# KiCad board TM_MUX_Board_REV_B.kicad_pcb (continued)
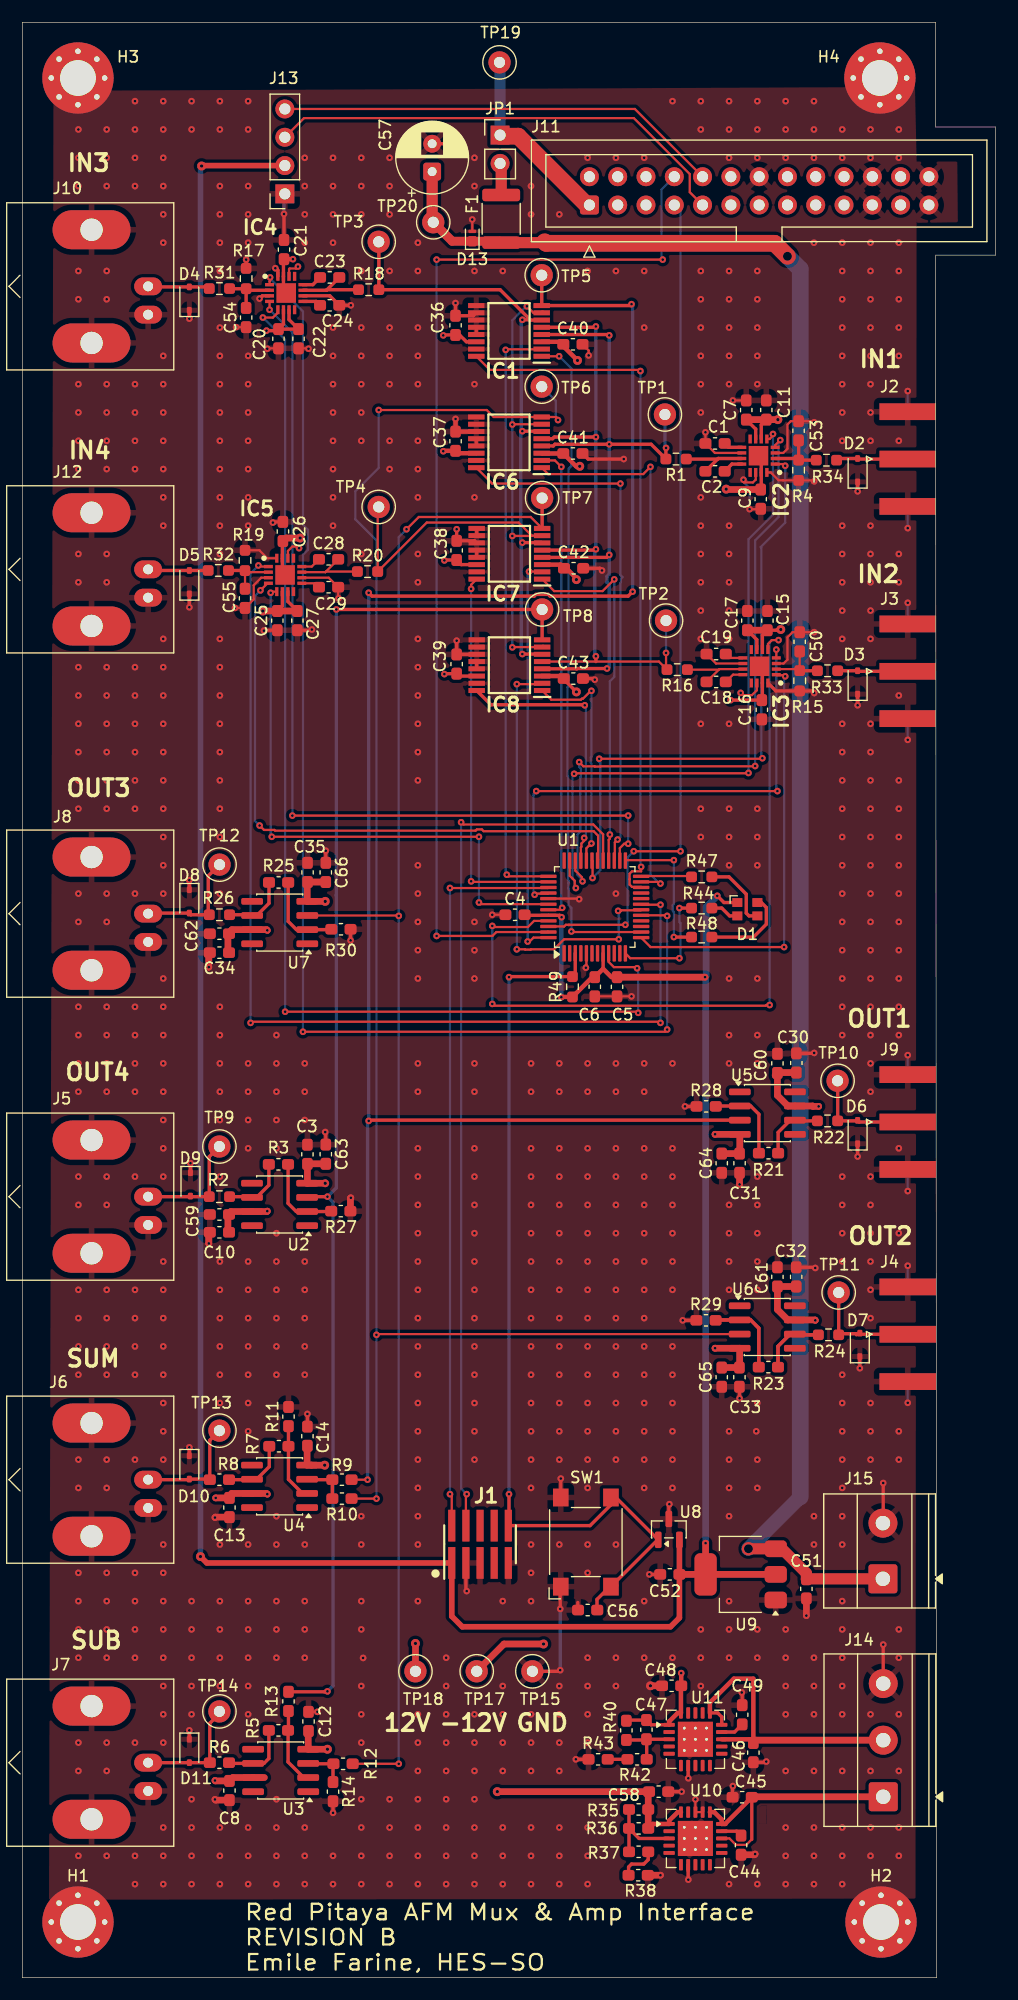
[diagram p0: board, top side]
## Routing (per net, layer and track width the routed paths; a pad name or vN(x,y) marks a point on that pad's centre or on a via; arc(x,y) is an arc through that point) (continued)
/I2C_SDA: length 40
  Top w0.2: J13.4 55,167.72 J11.10
/Input_1: length 5.5
  Top w0.3: R4.1 69.71,136.2 R34.2 ; R4.1 C53.1 ; R4.1 69.56,136.35 IC2.2 ; 71.38,136.21 71.39,136.2
/Input_2: length 5.5
  Top w0.2: IC3.2 69.66,117.45 R15.1 C50.1 ; 69.81,119.1 69.8,119.11
  Top w0.3: R33.2 69.81,117.3 R15.1
/Input_3: length 5.4
  Top w0.3: IC4.2 20.24,151.45 R17.1 ; R17.1 18.62,151.59 R31.2 ; R17.1 C54.1 ; R17.1 20.09,151.6
/Input_4: length 5.3
  Top w0.2: C55.1 R19.1 20.14,126.15 IC5.2
  Top w0.3: R19.1 19.99,126.3 R32.2
/Leds_Blue_2: length 12.9
  Top w0.2: v1(58.5,100.3) 54.19,100.3 U1.25
  Top w0.3: R48.1 v1(58.5,93.4)
  Bottom w0.2: v1(58.5,100.3) 58.5,96.35 58.4,96.25 58.4,95.75 58.5,95.65 v1(58.5,93.4)
/Leds_Green_2: length 4.6
  Top w0.2: R47.1 60.01,98.88 55.59,98.88 U1.24
/Leds_Red_2: length 10.7
  Top w0.2: U1.12 54.59,91.5 v1(59,91.5)
  Top w0.3: R44.1 v1(59,96)
  Bottom w0.2: v1(59,96) 59,94.75 59.1,94.65 59.1,91.6 v1(59,91.5)
/MUX1_A0: length 60.2
  Top w0.2: v1(49.3,93.9) 49.35,93.85 U1.14 ; v1(48.2,145.53) IC1.1
  Bottom w0.2: v1(48.2,145.53) 49.3,144.43 49.3,135.69 49.05,135.44 49.05,115.93 48.95,115.83 48.95,107.84 49,107.79 49,98.48 49.05,98.43 49.05,98.26 49.02,98.24 49.02,97.76 49.05,97.74 49.05,96.26 49.3,96.01 v1(49.3,93.9)
/MUX1_A1: length 63.5
  Top w0.2: v1(55.5,144.2) 55.4,144.3 41.99,144.3 IC1.16 ; v1(55.56,99.7) 55.56,99.3 54.74,99.3 54.52,99.08 54.52,98.62 54.54,98.6 54.52,98.58 54.52,98.12 54.74,97.9 55.56,97.9 U1.22
  Bottom w0.2: v1(55.5,144.2) 55.5,99.8 55.55,99.75 55.55,99.71 v1(55.56,99.7)
/MUX1_EN: length 54.2
  Top w0.2: v1(43.5,99) 43.65,98.85 U1.37 ; v1(43.4,146.1) 43.45,146.15 46.61,146.15 IC1.2
  Bottom w0.2: v1(43.4,146.1) 43.4,99.1 v1(43.5,99)
/MUX2_A0: length 49.9
  Top w0.2: v1(57.3,98.2) 57.2,98.2 57.05,98.35 U1.23 ; v1(56.4,135.6) 55.75,134.95 47.21,134.95 IC6.1
  Bottom w0.2: v1(57.3,98.2) 57.2,98.2 56.4,99 v1(56.4,135.6)
/MUX2_A1: length 47.8
  Top w0.2: v1(53.45,102.15) 53.2,101.9 53.2,100.31 U1.27 ; v1(53.7,134.1) 42.19,134.1 IC6.16
  Bottom w0.2: v1(53.7,134.1) 53.7,125.9 53.9,125.7 53.75,125.55 53.75,125.25 53.7,125.2 53.7,102.4 v1(53.45,102.15)
/MUX2_EN: length 42.9
  Top w0.2: IC6.2 47.83,136.18 v1(48.4,135.6) ; U1.43 48.35,95.85 48.4,95.9 48.4,95.95 v1(48.47,96.03)
  Bottom w0.2: v1(48.47,96.03) 48.4,96.1 v1(48.4,135.6)
/MUX3_A0: length 32.8
  Top w0.2: U1.28 52.65,102.13 52.75,102.23 v1(52.75,102.6) ; v1(53.15,125.5) 52.1,124.45 47.75,124.45 IC7.1
  Bottom w0.2: v1(53.15,125.5) 53.15,116.75 52.75,116.35 v1(52.75,102.6)
/MUX3_A1: length 34.3
  Top w0.2: v1(40.3,124.65) 40.3,125.03 IC7.16 ; U1.38 40.35,98.35 v1(40.3,98.4)
  Bottom w0.2: v1(40.3,98.4) v1(40.3,124.65)
/MUX3_EN: length 36.5
  Top w0.2: v1(45.38,93) 45.55,93 45.9,93.35 U1.48 ; v1(45.5,126.2) 46.65,126.2 IC7.2
  Bottom w0.2: v1(45.38,93) 45.38,118.43 45.5,118.55 45.5,119.05 45.38,119.17 45.38,126.07 v1(45.5,126.2)
/MUX4_A0: length 20.7
  Top w0.2: v1(51.1,101.8) 51.1,101.64 51.04,101.58 50.86,101.58 50.65,101.37 U1.32 ; IC8.1 47.5,114.7 50.15,114.7 50.25,114.8 50.35,114.8 51.05,115.5 v1(51.1,115.5)
  Bottom w0.2: v1(51.1,115.5) 51.1,109.58 51.05,109.53 51.05,109.03 51.1,108.98 v1(51.1,101.8)
/MUX4_A1: length 24.4
  Top w0.2: U1.33 50.15,101.45 50.2,101.5 50.2,101.79 50.45,102.04 v1(50.45,102.3)
  Top w0.3: v1(50.5,114.2) 50.45,114.25 42.08,114.25 IC8.16
  Bottom w0.2: v1(50.5,114.2) 50.6,114.1 50.6,102.45 v1(50.45,102.3)
/MUX4_EN: length 40.5
  Top w0.2: IC8.2 46.6,116.1 v1(44.4,116.1) ; U1.18 55.51,95.8 53.8,95.8 53.75,95.75 v1(53.5,95.75) ; v1(53.55,93.2) 48.64,93.2 47.74,92.3 45.66,92.3 45.64,92.27 45.16,92.27 45.14,92.3 v1(44.4,92.3)
  Bottom w0.2: v1(44.4,116.1) v1(44.4,92.3) ; v1(53.55,93.2) 53.55,95.65 53.65,95.75 v1(53.5,95.75)
/MUX_1/MUX_S1A: length 64
  Top w0.3: IC1.4 52.62,147.47 v1(52.7,147.4) ; IC8.4 49.78,117.47 49.8,117.5 v1(52.5,117.5) ; IC7.4 52.47,127.47 v1(52.7,127.7) ; v1(57.8,137.3) 57.79,137.29 R1.2 56.46,137.63 v1(52.7,137.63) 47.83,137.63 47.68,137.47 IC6.4
  Bottom w0.3: TP1.1 57.7,137.4 v1(57.8,137.3) ; v1(52.7,147.4) v1(52.7,137.63) v1(52.7,127.7) 52.7,125.97 52.5,125.77 52.5,125.23 52.7,125.03 52.7,117.7 v1(52.5,117.5)
/MUX_1/MUX_S2A: length 60.8
  Top w0.2: IC8.5 57.16,118.12 R16.2 57.8,117.49 v1(57.8,118.9)
  Top w0.3: v1(51.5,128.2) 51.42,128.12 IC7.5 ; IC1.5 51.42,148.12 v1(51.5,148.2) ; v1(51.5,138.28) 47.77,138.28 47.62,138.12 46.64,138.12 ; v1(51.5,118.6) 51.5,118.12
  Bottom w0.2: v1(57.8,118.9) TP2.1
  Bottom w0.3: v1(51.5,118.6) 51.4,118.7 51.4,128.1 v1(51.5,128.2) v1(51.5,138.28) v1(51.5,148.2)
/MUX_1/MUX_S3A: length 56.4
  Top w0.3: v1(44.9,138.8) 46.61,138.8 IC6.6 ; v1(44.9,128.8) 46.65,128.8 IC7.6 ; 45.62,148.78 42.9,151.5 R18.2 32.01,155.79 TP3.1 ; 45.62,148.78 45.6,148.8 v1(44.9,148.8) ; 45.62,148.78 46.64,148.78 ; IC8.6 46.65,118.8 v1(44.9,118.8)
  Bottom w0.3: v1(44.9,148.8) 44.8,148.7 44.8,138.9 v1(44.9,138.8) 44.75,138.65 44.75,128.95 v1(44.9,128.8) 44.8,128.7 44.8,118.9 v1(44.9,118.8)
/MUX_1/MUX_S4A: length 63
  Top w0.2: TP4.1 31.91,131.91 R20.2 36.31,130.6 44.56,130.6 45.74,129.43 ; 45.74,129.43 45.71,129.4 v1(44,129.4) ; 45.74,129.43 IC7.7 ; v1(44,139.4) 44.03,139.43 46.64,139.43 ; v1(45.31,150.01) 45.89,149.43 IC1.7 ; IC8.7 44.03,119.43 v1(44,119.4)
  Top w0.3: 46.75,119.5 IC8.7 ; 46.7,129.4 IC7.7 ; 46.71,149.5 IC1.7
  Bottom w0.2: v1(45.31,150.01) 45.26,150.01 44,148.75 v1(44,139.4) v1(44,129.4) v1(44,119.4)
/nReset: length 83.7
  Top w0.3: U1.3 49.65,90.1 R49.1 43.85,89.85 43.8,89.8 v1(43.7,89.8) ; 43.64,43.34 v1(43.7,43.4) 43.7,40.63 J1.10 50.97,40.57 52.85,42.45 ; 52.85,42.45 52.85,43.2 52.91,43.2 ; 52.85,42.45 SW1.2 53.3,43.1 U8.1 57.05,39.3 SW1.2 52.75,35.1 51.6,33.95 51.6,33 ; 52.85,35.2 53.39,35.2
  Bottom w0.3: v1(43.7,43.4) v1(43.7,89.8)
/Output_1: length 10.1
  Top w0.3: TP10.1 73.21,80.49 R22.2 74.95,76.9 D6.2 75.15,76.8 J9.1 ; 73.41,76.8 73.31,76.9
/Output_2: length 10.4
  Top w0.3: R24.2 73.4,57.6 R24.2 ; R24.2 TP11.1 ; R24.2 73.4,57.8 74.9,57.8 74.95,57.75 ; 74.95,57.75 74.9,57.7 ; 74.95,57.75 J4.1
/Output_3: length 10.6
  Top w0.3: R26.2 15.15,95.4 D8.2 11.35,95.55 J8.1 ; 16.6,95.5 16.7,95.4 16.7,98.89 TP12.1
/Output_4: length 10.5
  Top w0.3: 16.59,70.2 16.69,70.1 ; TP9.1 16.79,73.69 R2.2 15.15,70.1 D9.2 14.95,70.15 14.9,70.1 J5.1
/PGA1_A0: length 60.2
  Top w0.2: v1(50.3,98.4) 50.25,98.45 50.25,98.76 49.65,99.36 U1.34 ; IC2.4 67.6,137.54 v1(68.06,138) ; v1(50,109.1) 50.37,108.73 51.39,108.73 51.41,108.7 51.89,108.7 51.91,108.73 65.67,108.73 65.7,108.75 v1(65.8,108.75)
  Bottom w0.2: v1(50,109.1) 50,108.68 50.15,108.53 50.15,107.8 50.1,107.75 50.1,102.85 49.85,102.6 49.85,98.98 50.25,98.58 50.25,98.45 v1(50.3,98.4) ; v1(65.8,108.75) 65.8,129 67.9,131.1 67.9,137.84 v1(68.06,138)
/PGA1_A1: length 61
  Top w0.2: v1(67.4,138.55) 67.4,138.4 67.1,138.1 IC2.5 ; U1.35 49.15,98.9 49.6,98.45 49.6,97.9 v1(49.7,97.8) ; v1(65.2,108.13) 65.17,108.1 49.58,108.1 49.55,108.07 v1(49.55,108.05)
  Bottom w0.2: v1(49.55,108.05) 49.4,107.9 49.4,98.65 49.6,98.45 49.6,97.9 v1(49.7,97.8) ; v1(67.4,138.55) 67.4,131.3 65.2,129.1 v1(65.2,108.13)
/PGA1_A2: length 55.5
  Top w0.2: IC2.1 68.35,135.85 v1(68.5,135.7) ; v1(51.2,98.7) 51.2,100.21 U1.31 ; v1(66.45,109.45) 66.4,109.4 v1(51.8,109.4)
  Bottom w0.2: v1(51.8,109.4) 51.8,109.13 51.9,109.03 51.9,99.4 v1(51.2,98.7) ; v1(66.45,109.45) 66.35,109.55 66.35,128.35 66.3,128.4 68.5,130.6 v1(68.5,135.7)
/PGA2_A0: length 45.9
  Top w0.2: v1(46,97.2) 46.1,97.3 47.19,97.3 U1.40 ; IC3.4 v1(67.7,119.2) ; v1(46.15,106.5) v1(67.8,106.5)
  Bottom w0.2: v1(46.15,106.5) 45.92,106.28 45.92,106.12 45.9,106.1 45.9,97.3 v1(46,97.2) ; v1(67.8,106.5) 67.7,106.6 v1(67.7,119.2)
/PGA2_A1: length 72.4
  Top w0.2: v1(42.2,87.4) 42.2,87.25 42.21,87.24 66.74,87.24 66.8,87.3 v1(67.1,87.3) ; IC3.5 66.95,119.7 67.3,120.05 v1(67.9,120.05) ; U1.45 45.95,94.85 45.4,94.3 42.3,94.3 v1(42.2,94.4)
  Bottom w0.2: v1(67.1,87.3) 67.1,119.85 67.3,120.05 v1(67.9,120.05) ; v1(42.2,87.4) v1(42.2,94.4)
/PGA2_A2: length 38.4
  Top w0.2: U1.13 56.41,92.5 v1(68.4,92.5) ; IC3.1 67.75,116.9 68.4,116.9 v1(68.5,116.8)
  Bottom w0.2: v1(68.5,116.8) 68.5,116.7 68.4,116.6 v1(68.4,92.5)
/PGA3_A0: length 81.8
  Top w0.2: v1(22.2,149.7) IC4.4 22.07,150.45 ; v1(24.25,104.3) v1(54.4,104.3) ; v1(54.4,101.77) 54.04,101.77 53.65,101.38 U1.26
  Bottom w0.2: v1(22.2,149.7) 24.25,147.65 v1(24.25,104.3) ; v1(54.4,101.77) v1(54.4,104.3)
/PGA3_A1: length 104.3
  Top w0.2: v1(55.3,86.6) 55.2,86.7 v1(23.6,86.7) ; v1(21.6,149) 22.5,149 22.95,149.45 IC4.5 ; U1.9 52.65,91.17 53.12,90.7 55.1,90.7 v1(55.2,90.6)
  Bottom w0.2: v1(21.6,149) 23.6,147 v1(23.6,86.7) ; v1(55.3,86.6) 55.3,90.5 v1(55.2,90.6)
/PGA3_A2: length 115.4
  Top w0.2: v1(57.9,85.1) 57.7,84.9 v1(25.2,84.9) ; IC4.1 22.2,152.25 22.25,152.3 v1(22.25,152.6) ; U1.17 57.85,95.35
  Top w0.3: 57.85,95.35 v1(57.9,95.3)
  Bottom w0.2: v1(25.2,84.9) 25.2,127.7 25.65,128.15 25.65,129.95 25.2,130.4 25.2,145.85 25.1,145.95 25.1,146.45 25.2,146.55 25.2,149.55 22.25,152.5 v1(22.25,152.6) ; v1(57.9,85.1) v1(57.9,95.3)
/PGA4_A0: length 55.6
  Top w0.2: IC5.4 22.02,125.15 v1(21.38,124.52) ; v1(21.31,103.41) 21.7,103.01 22.64,103.01 22.7,102.95 40.7,102.95 40.81,103.06 41.26,103.06 41.42,102.9 51.3,102.9 51.7,102.5 51.7,100.31 U1.30
  Bottom w0.2: v1(21.31,103.41) 20.9,103.82 20.9,124.03 v1(21.38,124.52)
/PGA4_A1: length 53.3
  Top w0.2: U1.42 41.15,96.35 v1(41,96.5) ; v1(22.3,124.3) 22.4,124.4 IC5.5 ; v1(22.4,102.4) v1(41,102.4)
  Bottom w0.2: v1(41,102.4) v1(41,96.5) ; v1(22.3,124.3) 22.3,102.5 v1(22.4,102.4)
/PGA4_A2: length 91.5
  Top w0.2: v1(20.5,85.7) 20.6,85.8 57.2,85.8 v1(57.3,85.7) ; v1(57.3,96.3) 55.61,96.3 U1.19 ; v1(21.2,126.75) 21.3,126.65 IC5.1
  Bottom w0.2: v1(20.5,85.7) 20.5,86.5 20.5,86.5 20.5,126.05 v1(21.2,126.75) ; v1(57.3,85.7) v1(57.3,96.3)
/Sub_Out: length 10.5
  Top w0.3: J7.1 D11.2 R6.2 16.84,22.84 17.7,23.7 TP14.1
/Sum_Out: length 10.3
  Top w0.3: TP13.1 16.84,48.24 R8.2 16.79,44.75 D10.2 14.95,44.75 14.9,44.7 J6.1
/SWD_CLK: length 78.9
  Top w0.2: v1(39.4,103.7) 39.6,103.5 51.27,103.5 52.15,102.62 U1.29 ; v1(39.9,43.4) 39.83,43.33 J1.4
  Bottom w0.2: v1(39.4,103.7) 39.4,43.9 v1(39.9,43.4)
/SWD_IO: length 66.1
  Top w0.2: v1(38.4,43.4) 38.56,43.24 J1.2 ; U1.39 47.19,97.8 v1(38.4,97.8)
  Bottom w0.2: v1(38.4,97.8) v1(38.4,43.4)
/UART_RX: length 76.3
  Top w0.2: U1.46 48.65,94.35 48.8,94.5 49.04,94.5 49.06,94.48 49.1,94.48 49.12,94.5 v1(54.15,94.5) ; v1(54.9,101.1) v1(59.1,101.1)
  Bottom w0.2: J11.7 59.1,158.54 v1(59.1,101.1) ; v1(54.15,94.5) 54.35,94.7 54.35,100.55 v1(54.9,101.1)
/UART_TX: length 99.2
  Top w0.2: v1(37.2,154.2) v1(57.5,154.2) ; v1(37.2,93.5) 42.21,93.5 42.56,93.85 U1.47 47.19,93.9
  Bottom w0.2: J11.8 57.39,160.49 57.39,154.31 v1(57.5,154.2) ; v1(37.2,93.5) v1(37.2,154.2)
Net-(D1-BK): length 8
  Top w0.3: D1.4 66.35,96.5 66.8,96.05 66.8,94.55 65.65,93.4 R48.2 62.01,93.3
Net-(D1-GK): length 6.5
  Top w0.3: D1.3 65.25,95.3 65,95.55 65,97.25 63.45,98.8 R47.2
Net-(D1-RK): length 2.6
  Top w0.3: D1.2 63.5,95.3 62.8,96 R44.2
Net-(D2-A2): length 6.7
  Top w0.3: 73.31,136.3 73.21,136.2 ; 79.45,136.35 J2.1 75.05,136.3 D2.2 73.26,136.35 R34.1
Net-(D3-A2): length 6.3
  Top w0.3: J3.1 75.05,117.25 D3.2 R33.1
Net-(D4-A2): length 5.6
  Top w0.3: J10.1 11.35,151.75 D4.2 16.64,151.75 R31.1
Net-(D5-A2): length 5.4
  Top w0.3: J12.1 11.4,126.3 D5.2 R32.1
Net-(IC2-DA_IN+): length 1.7
  Top w0.3: IC2.9 63.41,137.35 C1.1
Net-(IC2-DA_IN-): length 1.8
  Top w0.3: C2.1 63.71,135.85 IC2.12
Net-(IC2-OUT): length 6.6
  Top w0.3: 62.49,136.35 62.44,136.3 R1.1 ; 62.49,136.35 IC2.11 ; 62.49,136.35 C2.2
Net-(IC3-DA_IN+): length 1.7
  Top w0.2: C19.1 63.51,118.45 IC3.9
Net-(IC3-DA_IN-): length 1.8
  Top w0.2: C18.1 63.81,116.95 IC3.12
Net-(IC3-OUT): length 6.6
  Top w0.2: R16.1 62.54,117.4 62.59,117.45 ; IC3.11 62.59,117.45 ; 62.59,117.45 C18.2
Net-(IC4-DA_IN+): length 1.7
  Top w0.3: IC4.9 26.39,150.45 C24.1
Net-(IC4-DA_IN-): length 1.8
  Top w0.3: C23.1 26.09,151.95 IC4.12
Net-(IC4-OUT): length 6.6
  Top w0.3: IC4.11 27.31,151.45 ; 27.31,151.45 C23.2 ; 27.31,151.45 27.36,151.5 R18.1
Net-(IC5-DA_IN+): length 1.7
  Top w0.2: C29.1 26.29,125.15 IC5.9
Net-(IC5-DA_IN-): length 1.8
  Top w0.2: C28.1 25.99,126.65 IC5.12
Net-(IC5-OUT): length 6.6
  Top w0.2: 27.21,126.15 27.26,126.2 R20.1 ; 27.21,126.15 IC5.11 ; 27.21,126.15 C28.2
Net-(J11-Pin_1): length 17.2
  Top w0.6: J11.1 50.92,159.13
  Top w1.5: 42.9,165.28 44.53,165.28 50.7,159.1 J11.1
  Bottom w1: 42.8,171.85 TP19.1 42.9,171.85 JP1.1
Net-(JP1-B): length 2.9
  Top w1: F1.1 43,162.74 JP1.2
Net-(R2-Pad1): length 6
  Top w0.3: R3.2 22.14,71.13 21.04,70.03 U2.6 20.56,70.1 18.51,70.1
Net-(R5-Pad2): length 6.4
  Top w0.3: 18.46,19.3 18.53,19.24 21.7,19.24 22.14,19.67 R5.2
Net-(R7-Pad2): length 6.1
  Top w0.3: 18.36,44.74 18.33,44.7 ; R7.2 22.17,45.87 21.04,44.74 20.62,44.74 20.59,44.7 18.46,44.7
Net-(R21-Pad2): length 5.9
  Top w0.3: R21.2 67.86,75.87 68.96,76.97 U5.6 69.44,76.9 R22.1
Net-(R23-Pad2): length 12
  Top w0.3: 69.43,57.7 R24.1 69.43,57.7 ; 69.43,57.7 69.36,57.76 ; 69.43,57.7 69.36,57.76 ; 69.36,57.76 68.94,57.76 ; 69.36,57.76 68.94,57.76 ; 68.94,57.76 67.85,56.67 ; 68.94,57.76 67.85,56.67 ; 67.85,56.67 R23.2 67.85,56.67
Net-(R25-Pad2): length 5.9
  Top w0.3: R25.2 22.15,96.43 21.06,95.34 20.64,95.34 20.57,95.4 R26.1
Net-(R37-Pad1): length 3.5
  Top w0.3: R37.1 56.2,10.6 55.8,10.2 54.7,10.2 54.44,9.94 R38.2
Net-(R42-Pad1): length 1.8
  Top w0.3: R42.1 R43.2
Net-(U2--): length 7.7
  Top w0.3: R3.1 23.86,69.5 24.6,68.76 27.7,68.76 R27.2
Net-(U3-+): length 3.9
  Top w0.3: 25.67,19.24 25.71,19.2 R12.2 27.9,19.16 R14.1
Net-(U3--): length 7
  Top w0.3: U3.2 25.26,17.97 23.86,19.36 R5.1 23.9,22.24 R13.2
Net-(U4-+): length 4
  Top w0.3: R10.2 R9.2 25.61,44.7 25.58,44.74
Net-(U4--): length 7
  Top w0.3: R11.1 R7.1 23.9,44.72 25.16,43.47 25.58,43.47
Net-(U5--): length 7.7
  Top w0.3: R28.2 62.3,78.24 65.4,78.24 66.14,77.5 R21.1
Net-(U6--): length 15.4
  Top w0.3: 65.39,59.03 66.12,58.3 ; 65.39,59.03 U6.2 ; 65.39,59.03 66.12,58.3 ; 65.39,59.03 U6.2 ; 66.12,58.3 R23.1 66.12,58.3 ; 62.28,59.03 R29.2 62.28,59.03 ; 62.28,59.03 U6.2 ; 62.28,59.03 U6.2
Net-(U7--): length 7.7
  Top w0.3: R30.2 27.72,94.06 U7.2 24.61,94.06 23.88,94.8 R25.1
Net-(U10-NR): length 1.9
  Top w0.3: U10.14 64.15,13.15 C44.1
Net-(U10-SENSE/FB): length 7.8
  Top w0.3: R35.1 R36.1 ; R36.1 55.38,12.5 U10.3 ; R36.1 R37.2
Net-(U11-FB): length 5.8
  Top w0.3: 54.3,21.4 R40.1 55.97,21.34 C47.1 ; C47.1 U11.3 ; C47.1 56.06,21.38 R42.2
Net-(U11-NR/SS): length 2.1
  Top w0.3: U11.14 63.95,22.05 C49.2

## Copper pours and planes (outline as drawn; the poured copper is in the pictures)
+12V on In2.Cu: 80.03,165.93 80.1,166 87.2,166 87.2,154.7 80.2,154.7 79.8,48 66.3,48 66,161.4 66,163.6 43.6,163.7 43.6,161.3 43.75,15.05 31.65,15.1 30.6,157.1 29.4,157 22.5,157 22.5,156.3 22.3,13.7 4.4,13.6 4.9,161.2 5.1,174.8 43.3,175.3 80.1,175.3
-12V on In2.Cu: 30.2,13.3 30.15,13.3 45.1,13.35 45.24,18 44.84,161.3 64.34,161.3 63.24,18 63.3,10.65 23.65,10.3 23.65,13.7 23.5,156 29.7,156
GND on Top: 63.7,16.8 66.9,16.8 66.8,13.8 63.7,13.8
GND on Top: 80.15,169.7 80.3,163 83.95,163 84,157.55 80.3,157.5 80.3,158.02 80.2,7.1 2.4,7 2.8,169.35
GND on Bottom: 1.3,172.2 80.4,172.4 81,164 85.3,164.2 85.3,156.4 80.5,156.3 81.2,5.6 0.7,5.9
GND on In1.Cu: 80.38,163.45 83.9,163.45 84,157.55 80.36,157.5 79.9,7 2.7,7.1 2.6,161.5 2.65,169.85 80.3,170.2

## Text on the board
User.Drawings: REDPITAYA
F.Silkscreen: OUT4 | OUT3 | SUM | IN3 | IN4 | SUB | 12V | -12V | GND | OUT1 | OUT2 | IN2 | IN1 | Red Pitaya AFM Mux & Amp Interface / REVISION B / Emile Farine, HES-SO
